# Allegro board pc069a_toplevel_13_glossed.brd
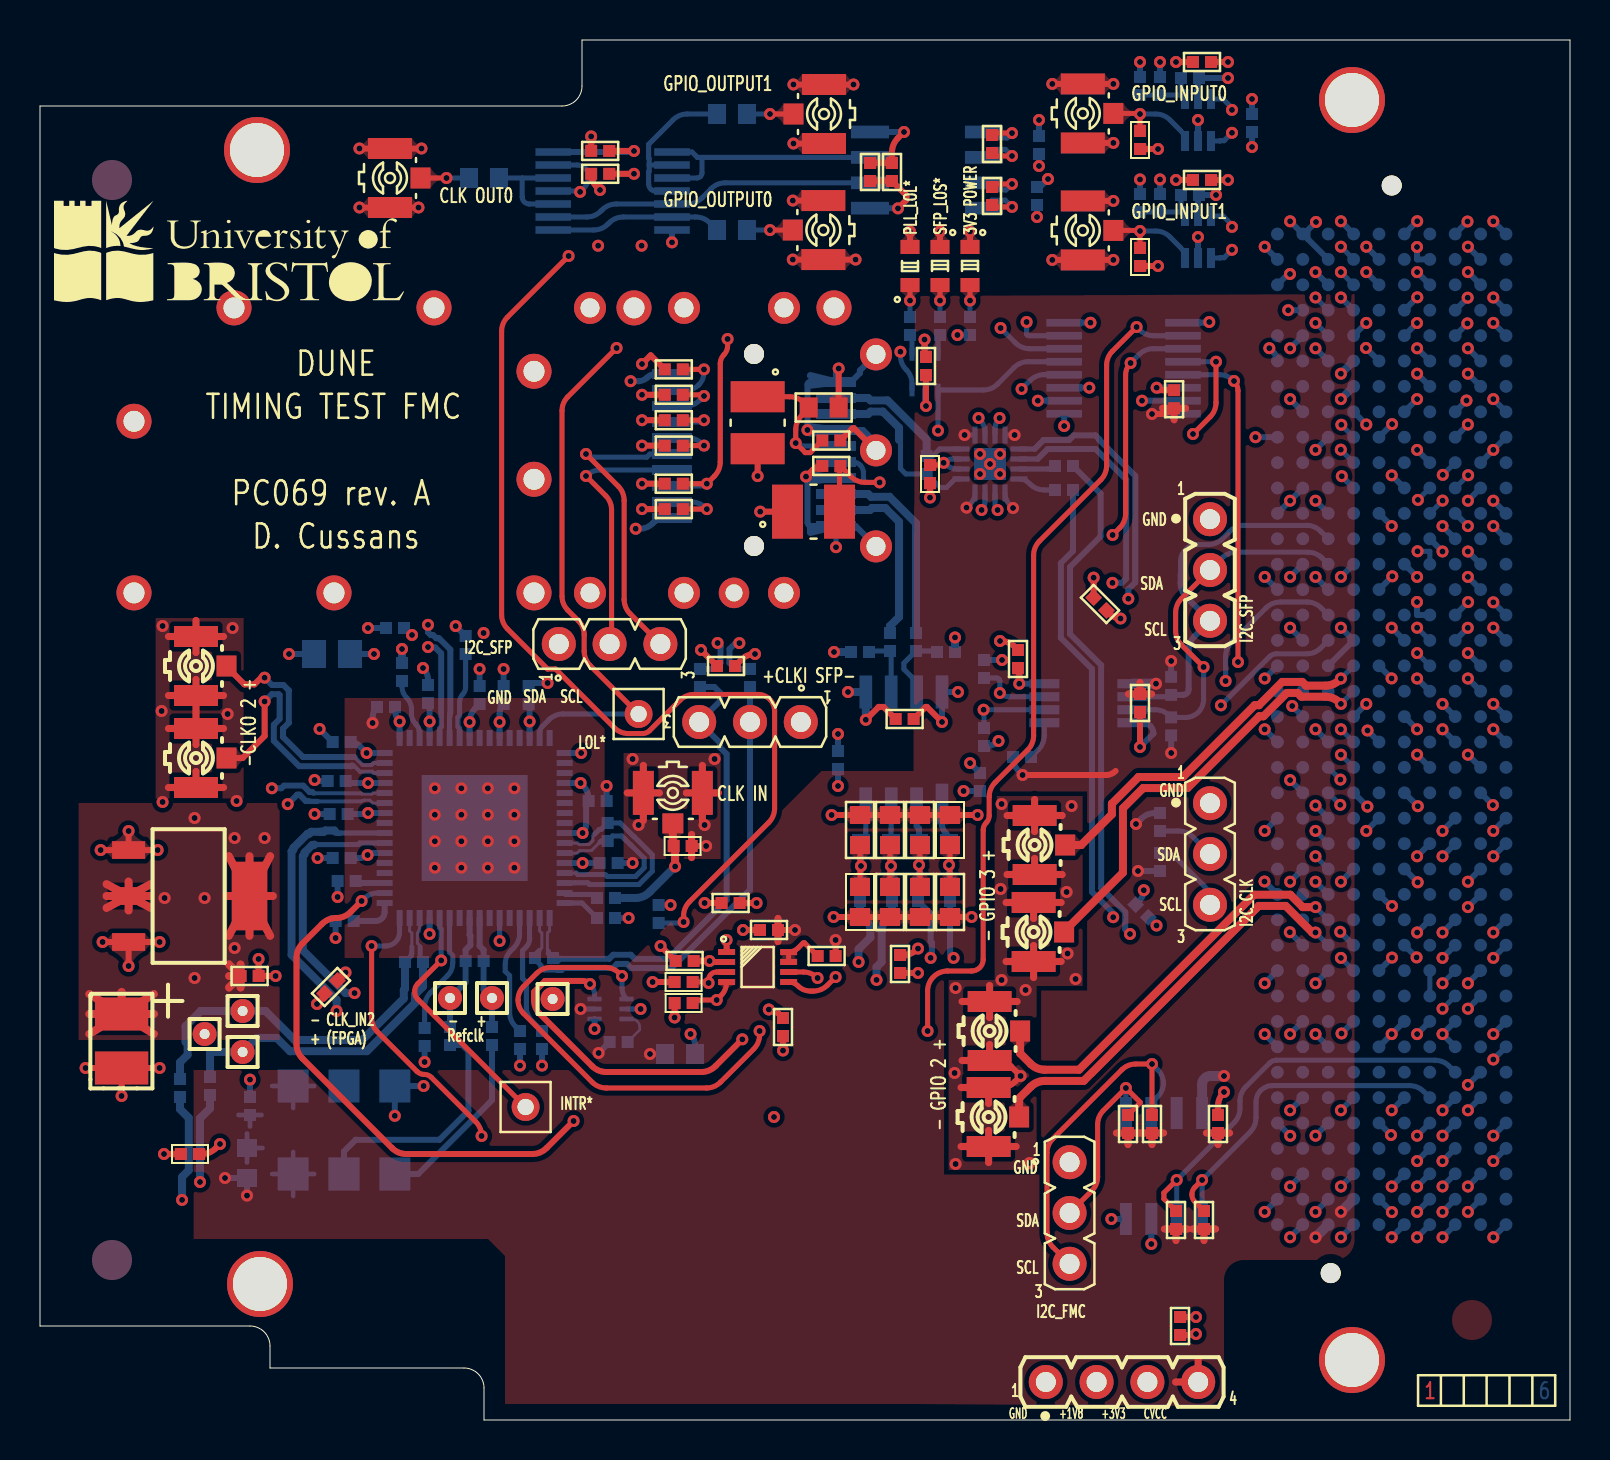
[diagram p0: board, top side]
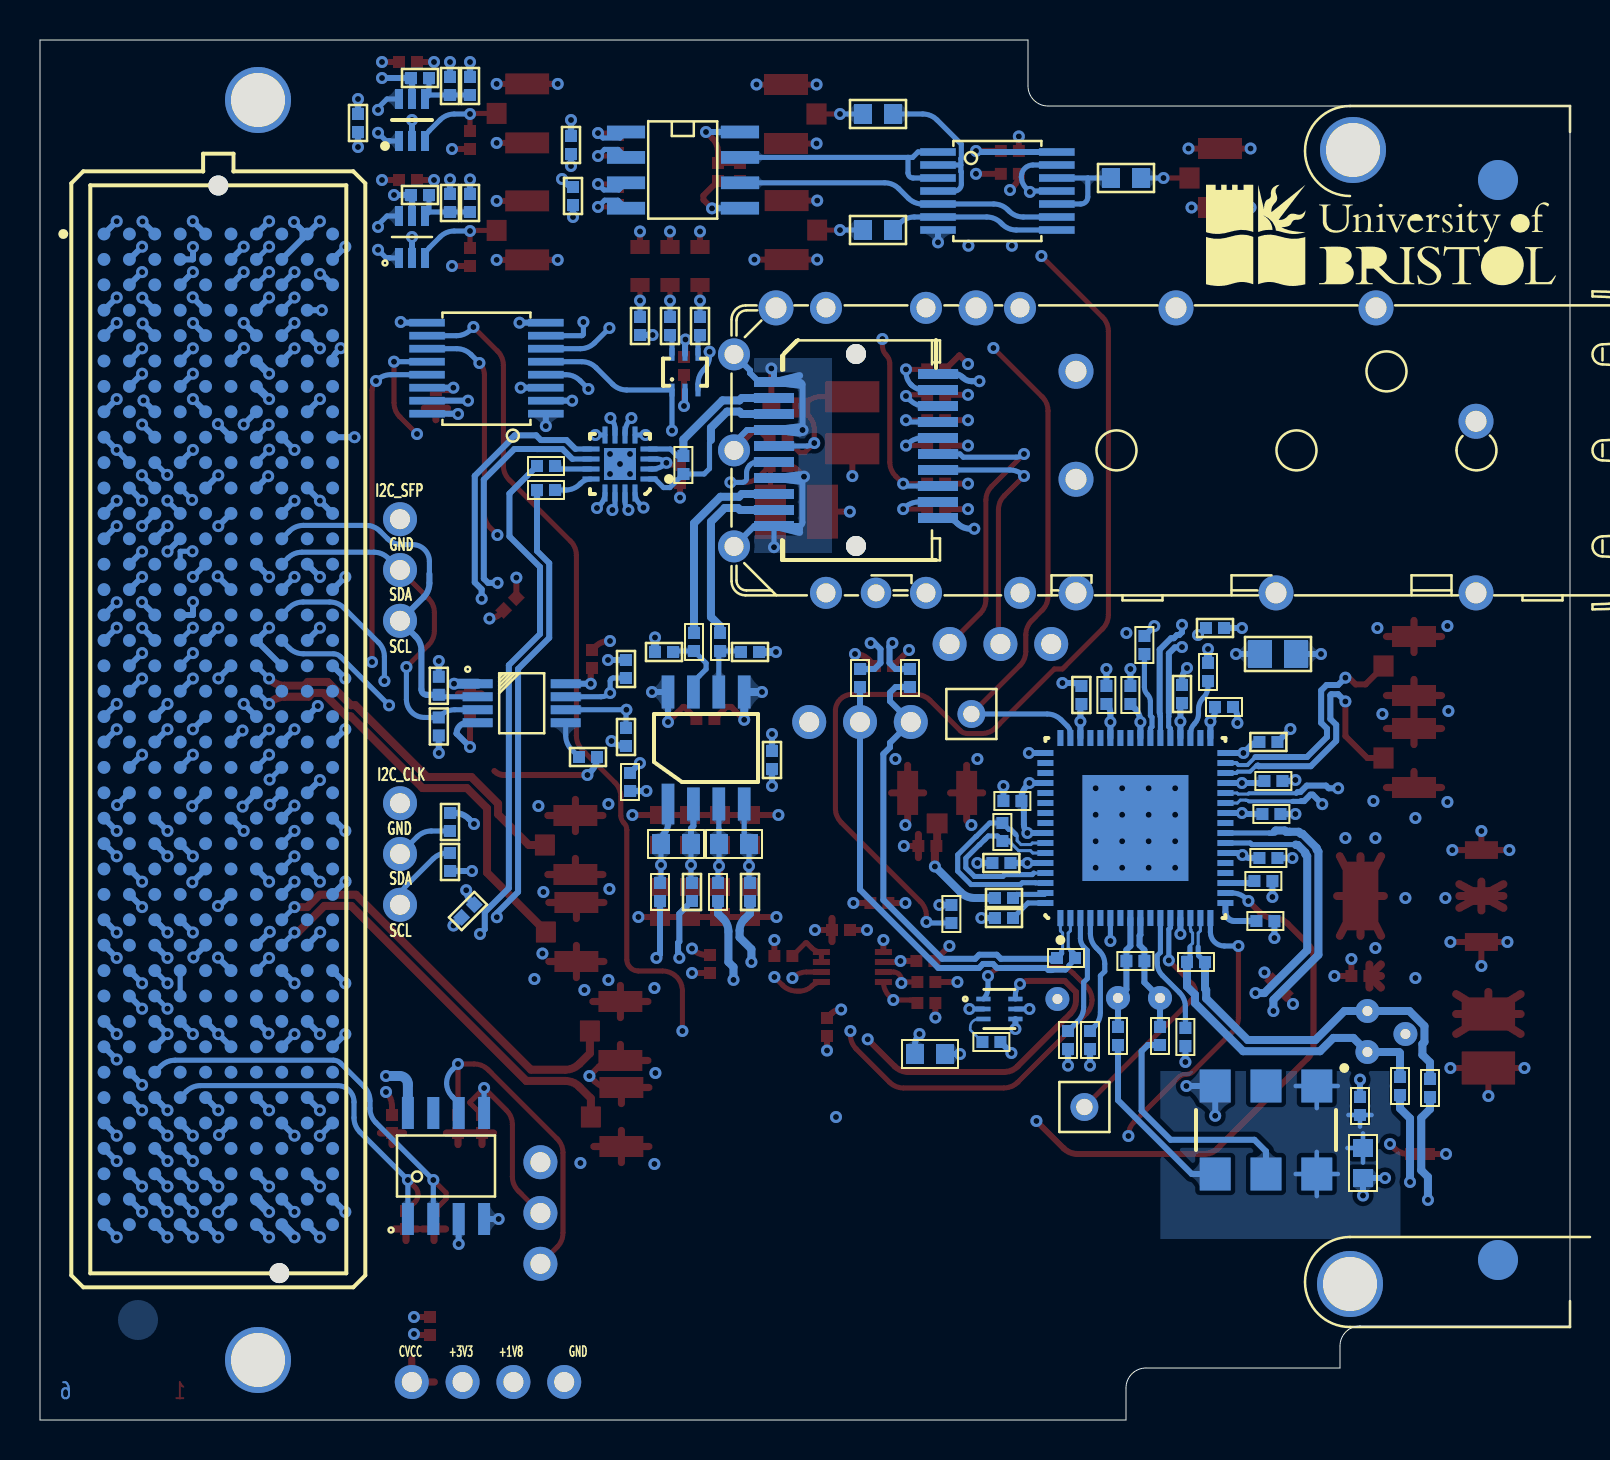
[diagram p1: board, bottom side, seen from below]

Outline 76.5 x 69 mm; copper layers: TOP, L2_GND, L3_SIGN, L4_SIGN, L5_PWR, BOTTOM. Coordinates in mm from the lower left corner of the outline.
Outline path: 0,65.7 0,4.7 10.5,4.7 arc(11.21,4.41) 11.5,3.7 11.5,2.6 21.2,2.6 arc(21.91,2.31) 22.2,1.6 22.2,0 76.5,0 76.5,69 27.1,69 27.1,66.7 arc(26.81,65.99) 26.1,65.7 0,65.7

## Design rules (mm)
constraint set DEFAULT: min track width 0.127, pair gap 0.152
net group CLK0_M2C: nets CLK0_M2C_N CLK0_M2C_P
net group CLK_IN0: nets CLK_IN0_N CLK_IN0_P
net group CLK_IN1: nets CLK_IN1_N CLK_IN1_P
net group CLK_IN2: nets CLK_IN2_N CLK_IN2_P
net group DP_OSC: nets UNNAMED_4_CAPCERSMDCL2_I119_A UNNAMED_4_CAPCERSMDCL2_I120_A
net group F_FMC_CLK: nets CLK0_C2M_N CLK0_C2M_P
net group F_GPIO_OUT0: nets F_GPIO_OUT0_N F_GPIO_OUT0_P
net group F_GPIO_OUT1: nets F_GPIO_OUT1_N F_GPIO_OUT1_P
net group FFD_CLK: nets T_FFD_CLK_N T_FFD_CLK_P
net group FFD_DI: nets C2M_SFP_DATA_N C2M_SFP_DATA_P
net group FMC_REC_CLK: nets CLK1_M2C_N CLK1_M2C_P
net group GPIO_IN0: nets GPIO_IN0_N GPIO_IN0_P
net group GPIO_IN1: nets GPIO_IN1_N GPIO_IN1_P
net group GPIO_IO3: nets GPIO_IO3_N GPIO_IO3_P
net group OSC_CLK: nets OSC_CLK_N OSC_CLK_P
net group PAR_CLKO: nets T_DIFF_UFL_CLK_N T_DIFF_UFL_CLK_P
net group PAR_DI: nets GPIO_IO2_N GPIO_IO2_P
net group PLL_ZDM_CLK: nets PLL_ZDM_CLK_N PLL_ZDM_CLK_P
net group SFP2PLL_DATA: nets SFP2PLL_DATA_N SFP2PLL_DATA_P
net group SFP_DI: nets F_SFP_N F_SFP_P
net group SFP_DO: nets T_SFP_N T_SFP_P
net group T_FMC: nets M2C_SFP_DATA_N M2C_SFP_DATA_P
nets with their own width: min track width 0.254; nets CVCC GND
nets with their own width: min track width 0.3; nets CTRLVCC P1V8 P3V3 P12V

## Placement (name value [footprint] x y rotation side)
C1  100nF  [C0402]  45.5 26.4 90 bottom
C2  100nF  [C0402]  42.5 38.9 90 bottom
C3  100nF  [C0402]  47 31.9 270 bottom
C4  100nF  [C0402]  39.9 33 270 bottom
C5  100nF  [C0402]  43.23 35.05 180 top
C6  100nF  [C0402]  7.5 13.3 180 top
C7  100nF  [C0402]  42.6 26.4 90 bottom
C8  100nF  [C0402]  43.9 26.4 90 bottom
C9  100nF  [C0402]  57 4.7 270 top
C10  100nF  [C0402]  10.5 15.7 270 bottom
C11  100nF  [C0402]  44.5 47.3 90 top
C12  22uF  [C3528POL]  4.08 20.3 270 top
C13  100nF  [C0402]  28.43 27.85 180 bottom
C14  100nF  [C0402]  10.48 22.2 180 top
C15  100nF  [C0402]  44.3 52.7 90 top
C16  100nF  [C0402]  55 35.85 90 top
C17  100nF  [C0402]  36.45 24.5 0 top
C18  100nF  [C0402]  58.9 14.8 270 top
C19  100nF  [C0402]  24.43 36.25 270 bottom
C20  100nF  [C0402]  15.08 33.9 0 bottom
C21  100nF  [C0402]  22.6 19.2 90 bottom
C22  100nF  [C0402]  8.5 16.7 90 bottom
C23  100nF  [C0402]  28.3 26.1 180 bottom
C24  100nF  [C0402]  33 37.1 270 bottom
C25  100nF  [C0402]  20.5 19.2 90 bottom
C26  100nF  [C0402]  28.3 25.1 180 bottom
C27  100nF  [C0402]  35.5 37.1 270 bottom
C28  100nF  [C0402]  7 16.6 90 bottom
C29  100nF  [C0402]  53 40.8 135 top
C30  1.0nF  [C0402]  43 22.8 90 top
C31  100nF  [C0402]  17.3 35.65 0 bottom
C32  100nF  [C0402]  21.98 36.25 270 bottom
C33  100nF  [C0402]  49.95 63.75 90 bottom
C34  1.0nF  [C0402]  49.85 61.2 270 bottom
C35  10uF  [C0805]  14.6 38.3 0 bottom
C36  100nF  [C0402]  60.6 64.85 90 bottom
C37  1.0nF  [C0402]  37.15 19.65 270 top
C38  100nF  [C0402]  41 26.4 90 bottom
C39  100nF  [C0402]  43.8 38.9 90 bottom
C40  100nF  [C0402]  19.4 36.3 270 bottom
C41  1.0nF  [C0402]  17.75 39.6 0 bottom
C42  100nF  [C0603]  32 18.3 180 bottom
C45  100nF  [C0402]  23.18 36.25 270 bottom
C46  100nF  [C0402]  14.83 31.95 0 bottom
C47  100nF  [C0402]  27.88 30.95 180 bottom
C48  100nF  [C0402]  14.93 30.3 0 bottom
C49  100nF  [C0402]  15.08 28.1 0 bottom
C52  100nF  [C0402]  56 66.7 270 bottom
C53  100nF  [C0402]  56 60.85 270 bottom
C55  100nF  [C0402]  58.1 67.9 180 top
C56  100nF  [C0402]  58.1 62 180 top
C57  100nF  [C0402]  42.6 62.4 90 top
C58  100nF  [C0402]  41.5 62.4 90 top
C59  100nF  [C0402]  28.01 63.45 0 top
C60  100nF  [C0402]  28.01 62.31 0 top
C61  100nF  [C0402]  56.7 51.04 270 top
C62  100nF  [C0402]  39.56 47.7 0 top
C63  100nF  [C0402]  39.56 48.97 180 top
C64  10uF  [C0603]  39.18 50.62 180 top
C69  100nF  [C0402]  34.3 37.7 0 top
C70  100nF  [C0402]  34.53 25.85 0 top
C71  100nF  [C0402]  55.1 25.45 315 bottom
C72  100nF  [C0402]  14.55 21.65 45 top
C107  100nF  [C0402]  48.9 38.05 270 top
C117  100nF  [C0402]  32.23 22.95 0 top
IC1  -  [SOP50P310X90-8N]  35.88 22.65 0 top
IC2  -  [SOIC127P600X175-8N]  56.2 12.7 90 bottom
IC3  -  [QFN50P900X900X90-65N-S530]  21.73 29.6 90 bottom
IC4  -  [QFN50P300X300X90-17N-S160]  47.5 47.8 0 bottom
IC6  -  [SOP65P210X110-6N]  57.9 65 90 bottom
IC7  -  [SOP65P210X110-6N]  57.9 59.15 90 bottom
IC8  -  [SOIC8S_127]  47.2 64.4 270 bottom
IC9  -  [TSSOP14MA_065]  31.6 63.4 270 bottom
IC10  -  [TSSOP16MA_065]  51.21 50.31 90 bottom
IC11  -  [SOT_DRL_TEX]  28.53 20.55 180 bottom
IC15  -  [SOP65P490X110-8N]  52.41 35.84 180 bottom
IC18  -  [SC70_6L]  44.9 51.5 180 bottom
J2  -  [HIROSE_U-FL-R-SMT-1_10]  47.48 19.45 270 top
J3  -  [SAMTEC_MTLW-103-07-L-S-250]  35.5 34.9 180 top
J4  -  [TYCO_1888247-1]  35.7 48.5 0 bottom
J5  -  [SAMTEC_MTLW-103-07-L-S-250]  28.48 38.8 0 top
J6  -  [SAMTEC_MTLW-103-07-L-S-250]  51.48 10.35 270 top
J7  -  [HIROSE_U-FL-R-SMT-1_10]  47.43 15.15 270 top
J8  -  [SAMTEC_MTLW-103-07-L-S-250]  58.5 28.3 270 top
J10  -  [SAMTEC_MTLW-103-07-L-S-250]  58.5 42.5 270 top
J11  -  [SAMTEC_MTLW-104-07-L-S-250]  54.1 1.9 0 top
J12  -  [HIROSE_U-FL-R-SMT-1_10]  7.8 37.7 270 top
J13  -  [HIROSE_U-FL-R-SMT-1_10]  7.8 33.1 270 top
J14  -  [HIROSE_U-FL-R-SMT-1_10]  49.73 28.75 270 top
J15  -  [HIROSE_U-FL-R-SMT-1_10]  49.68 24.4 270 top
L1  4.7uH  [INDC3225X220N]  35.88 49.86 270 top
L2  4.7uH  [INDC3225X220N]  38.68 45.42 0 top
L3  -  [C0603]  10.35 12.85 90 bottom
LD1  Green  [LEDC1708X65N]  43.5 57.7 90 top
LD2  Green  [LEDC1708X65N]  45 57.7 270 top
LD3  Green  [LEDC1708X65N]  46.5 57.7 270 top
NOREF  -  []  76 17.5 0 top
NOREF#2  -  []  76.5 -16 0 top
NOREF#3  -  []  2.6 -16.15 0 top
NOREF#4  -  []  22 2.2 0 top
NOREF#5  -  []  79.5 0 90 top
NOREF#6  -  []  -17.4 170.4 0 top
NOREF#7  -  []  -14.4 165.4 0 top
NOREF#8  -  []  26.9 66.1 0 top
NOREF#9  -  []  -17.4 -17.4 0 top
NOREF#10  -  []  11.5 2.6 0 top
NOREF#11  -  []  0 -3 0 top
NOREF#12  -  []  11.5 2.6 90 top
NOREF#13  -  [unnamed#2]  65.6 66 0 top
NOREF#14  -  []  14.55 96.4 0 top
NOREF#15  -  []  -17.4 -17.4 0 top
NOREF#16  -  []  -14.3 0 0 top
NOREF#17  -  []  -94 -116.7 0 top
NOREF#18  -  []  109.15 64.3 0 top
NOREF#19  -  []  -7.4 -16.15 0 top
NOREF#20  -  []  -19.38 84 0 top
NOREF#21  -  []  76.5 0 90 top
NOREF#22  -  [unnamed#2]  10.85 63.5 0 top
NOREF#23  -  []  -17.4 -17.4 0 top
NOREF#24  -  []  22.2 0 90 top
NOREF#25  -  []  0 65.7 0 top
NOREF#26  -  []  -19.38 153 0 top
NOREF#27  -  []  173 -16 0 top
NOREF#28  -  []  133.3 -3.6 0 top
NOREF#29  -  []  0 4.7 90 top
NOREF#30  -  []  96.5 -16 0 top
NOREF#31  -  []  27.1 69 0 top
NOREF#32  -  []  0 65.7 0 top
NOREF#33  -  [unnamed#2]  65.6 3 0 top
NOREF#34  -  []  0 -16 0 top
NOREF#35  -  []  -18.77 254.4 0 top
NOREF#36  -  []  76 219.5 0 top
NOREF#37  -  []  11.21 4.4 0 top
NOREF#38  -  []  -14.4 -12.4 0 top
NOREF#39  -  []  15.2 23.1 0 top
NOREF#40  -  []  79.4 51.5 0 top
NOREF#41  -  []  11 63.45 90 top
NOREF#42  -  []  12.65 64.3 0 top
NOREF#43  -  []  -14.3 69 0 top
NOREF#44  -  []  266.9 -16.15 0 top
NOREF#45  -  []  11.5 -2.5 0 top
NOREF#46  -  []  180.4 -21.05 0 top
NOREF#47  -  []  36.8 -3.6 0 top
NOREF#48  -  []  0.7 55.9 0 top
NOREF#49  -  []  0 4.65 0 top
NOREF#50  -  []  76 185.5 0 top
NOREF#51  -  []  193.22 -17.27 0 top
NOREF#52  -  [unnamed#2]  11 6.8 0 top
NOREF#53  -  []  65.6 3 0 top
NOREF#54  -  []  -14.3 237 0 top
NOREF#55  -  []  -14.3 168 0 top
NOREF#56  -  []  22.2 -3 0 top
NOREF#57  -  []  -18.77 249.4 0 top
NOREF#58  -  []  0 64.3 0 top
NOREF#59  -  []  76 135.5 0 top
NOREF#60  -  []  76 101.5 0 top
NOREF#61  -  []  18.2 56.7 180 bottom
P1  -  [SAMTEC_SEAM-40-035-S-10-2-A]  67.58 34.53 90 bottom
PX1  -  [HIROSE_U-FL-R-SMT-1_10]  31.64 31.36 180 top
PX2  -  [HIROSE_U-FL-R-SMT-1_10]  52.14 65.33 270 top
PX3  -  [HIROSE_U-FL-R-SMT-1_10]  52.14 59.48 270 top
PX4  -  [HIROSE_U-FL-R-SMT-1_10]  17.5 62.1 270 top
PX5  -  [HIROSE_U-FL-R-SMT-1_10]  39.17 59.5 90 top
PX6  -  [HIROSE_U-FL-R-SMT-1_10]  39.2 65.3 90 top
QZ1  50MHz  [OSCSC254P500X700X100-6N]  15.2 14.5 270 bottom
R1  200k  [C0402]  39.33 23.2 0 top
R2  100  [C0603]  44.7 28.8 180 bottom
R3  100  [C0603]  41.8 28.8 0 bottom
R4  825  [C0603]  45.5 29.5 90 top
R5  150  [C0402]  41 38.4 0 bottom
R6  150  [C0402]  45.3 38.4 180 bottom
R7  100  [C0402]  21.73 22.95 180 bottom
R8  100  [C0402]  18.7 22.9 180 bottom
R10  1k  [C0402]  19.23 19.15 270 bottom
R11  100  [C0402]  25.2 23.1 0 bottom
R12  200  [C0603]  45.5 25.9 90 top
R13  4.7k  [C0402]  21.28 38.75 90 bottom
R16  4.7k  [C0402]  30.93 25.3 90 bottom
R17  1k  [C0402]  25.1 19 90 bottom
R18  100  [C0402]  28.38 29.4 270 bottom
R19  1k  [C0402]  24 19 90 bottom
R20  1k  [C0402]  15.23 24.95 180 bottom
R21  1k  [C0402]  15.33 26.95 180 bottom
R22  4.7k  [C0402]  31.69 52.53 0 top
R23  4.7k  [C0402]  31.69 51.26 0 top
R24  4.7k  [C0402]  31.69 49.99 180 top
R25  4.7k  [C0402]  31.69 48.72 180 top
R26  33  [C0402]  18.1 37.4 90 bottom
R27  51  [C0402]  32.13 28.7 180 top
R28  4.7k  [C0402]  31.69 46.81 0 top
R29  4.7k  [C0402]  31.69 45.55 0 top
R30  51  [C0402]  55 64 90 top
R31  51  [C0402]  55 58.15 90 top
R34  825  [C0603]  42.5 29.5 90 top
R35  3.0k  [C0402]  57.5 67.1 0 bottom
R36  2k  [C0402]  55 66.7 270 bottom
R37  3.0k  [C0402]  57.5 61.25 0 bottom
R38  2k  [C0402]  55 60.85 270 bottom
R39  4.7k  [C0402]  54.4 14.8 270 top
R40  4.7k  [C0402]  32.18 20.85 0 top
R41  4.7k  [C0402]  32.18 21.9 0 top
R42  4.7k  [C0402]  49.1 33.15 180 bottom
R43  4.7k  [C0402]  56 27.9 270 bottom
R45  51  [C0402]  47.6 61.2 90 top
R46  51  [C0402]  47.6 63.8 270 top
R47  33  [C0603]  22.2 62.1 180 bottom
R48  33  [C0603]  34.6 59.5 0 bottom
R49  33  [C0603]  34.6 65.3 0 bottom
R50  750  [C0402]  43.5 54.7 270 bottom
R51  750  [C0402]  45 54.7 270 bottom
R52  200  [C0603]  42.5 25.9 90 top
R53  825  [C0603]  44 29.5 90 top
R54  200  [C0603]  44 25.9 90 top
R55  825  [C0603]  41 29.5 90 top
R56  750  [C0402]  46.5 54.7 270 bottom
R57  200  [C0603]  41 25.9 90 top
R58  0R0  [C0402]  51.2 46.5 0 bottom
R59  0R0  [C0402]  51.2 47.7 0 bottom
R60  XX  [C0402]  44.33 47.75 270 bottom
R61  4.7k  [C0402]  28.93 18.9 180 bottom
R103  4.7k  [C0402]  55.6 14.8 270 top
R138  4.7k  [C0402]  56.8 10 270 top
R140  4.7k  [C0402]  47.2 34.15 90 bottom
R142  4.7k  [C0402]  56.56 34.68 270 bottom
R143  4.7k  [C0402]  56.56 36.71 90 bottom
R242  4.7k  [C0402]  56 29.9 90 bottom
R411  4.7k  [C0402]  47.2 37.55 270 bottom
R1328  4.7k  [C0402]  58.2 10 270 top
REG1  -  [SOT223]  4.43 23.9 90 top
SFP1  -  [MOLEX_74737004]  35.6 48.45 0 bottom
TP1  -  [TP_HOLE_05]  22.6 21.1 0 top
TP2  -  [TP_HOLE_05]  20.5 21.1 0 top
TP3  -  [TP_HOLE_05]  25.63 21.05 0 top
TP4  -  [TP_HOLE_05]  10.13 18.4 0 top
TP5  -  [TP_HOLE_05]  10.13 20.45 0 top
TP6  -  [TP_HOLE_05]  8.23 19.3 0 top
TP9  -  [TP_HOLE_08]  24.28 15.65 0 bottom
TP10  -  [TP_HOLE_08]  29.93 35.3 0 bottom
U1  -  [SOIC8]  45.1 30.8 180 bottom

## Library data of the parts
C1-C11 C13-C29 C31-C33 C36 C38-C40 C45-C49 C52 C53 C55-C63 C69-C72 C107 C117 = CAPCERSMDCL2: part number: CAPCERSMDCL2_0402-100NF,16V_GEN; tolerance: 10%
C12 = ELCAPTAN: part number: ELCAPTAN_SMD-22UF,10V
C30 C34 C37 C41 = CAPCERSMDCL2: part number: CAPCERSMDCL2_0402-1.0NF,50V_GEN; tolerance: 10%
C35 = CAPCERSMDCL2: part number: CAPCERSMDCL2_0805-10UF,16V; tolerance: 10%
C42 = CAPCERSMDCL2: part number: CAPCERSMDCL2_0603-100NF,16V; tolerance: 10%
C64 = CAPCERSMDCL2: part number: CAPCERSMDCL2_0603-10UF_X5R,6.3V; tolerance: 10%
IC1 = PCA9306: part number: PCA9306DCU
IC2 = 24AA025E48: part number: 24AA025E48T-I/SN
IC3 = SI5345: part number: SI5345A-D-GM
IC4 = SY58608U: part number: SY58608UMG
IC6 IC7 = ADCMP604: part number: ADCMP604BKSZ
IC8 = DS90LV028A
IC9 = 74LCX04: part number: 74LCX04MTC
IC10 = 74AVC4T245: part number: SN74AVC4T245PW
IC11 = TMP1075NDRLR: Tolerance: TOL; part number: TMP1075NDRLR-TEXAS INSTRUMENTS,TMP1075NDRLR
IC15 = PCA9517: part number: PCA9517DGKR
IC18 = SN74LVC2GU04: part number: SN74LVC2GU04DCK
J2 J7 J12-J15 PX1-PX6 = PCOAX: part number: PCOAX-U.FL-R-SMT-1(10)
J3 J5 J6 J8 J10 = CON3P: part number: CON3P-MTLW-103-07-L-S-250
J4 = CON20P_SFP: part number: CON20P_SFP-1888247-1
J11 = CON4P: part number: CON4P-MTLW-104-07-L-S-250
L1 L2 = INDUCTANCE: part number: INDUCTANCE_LQH32C_23-4.7UH
L3 = FERRITE: part number: FERRITE_SMD-BLM18AG102SN1,MURATA
LD1-LD3 = LED1: part number: LGL29K-G2J1-24
P1 = CON400P_40ABCDEFGHJK: part number: CON400P_40ABCDEFGHJK-SEAM-40-03.5-S-10-2-A-K-TR
QZ1 = OSC_6P_ENDIS_OUTP_OUTN: part number: SIT5021AI-2DE-25E-50.000000
R1 = RSMD0402: part number: RSMD0402_1/16W-200K,1%; tolerance: 1%
R2 R3 = RSMD0603: part number: RSMD0603_1/10W-100,1%; tolerance: 1%
R4 R34 R53 R55 = RSMD0603: part number: RSMD0603_1/10W-825,1%; tolerance: 1%
R5 R6 = RSMD0402: part number: RSMD0402_1/16W-150,1%; tolerance: 1%
R7 R8 R11 R18 = RSMD0402: part number: RSMD0402_1/16W-100,1%; tolerance: 1%
R10 R17 R19-R21 = RSMD0402: part number: RSMD0402_1/16W-1K,1%; tolerance: 1%
R12 R52 R54 R57 = RSMD0603: part number: RSMD0603_1/10W-200,1%; tolerance: 1%
R13 R16 R22-R25 R28 R29 R39-R43 R61 R103 R138 R140 R142 R143 R242 R411 R1328 = RSMD0402: part number: RSMD0402_1/16W-4.7K,1%; tolerance: 1%
R26 = RSMD0402: part number: RSMD0402_1/16W-33,1%; tolerance: 1%
R27 R30 R31 R45 R46 = RSMD0402: part number: RSMD0402_1/16W-51,1%; tolerance: 1%
R35 R37 = RSMD0402: part number: RSMD0402_1/16W-3.0K,1%; tolerance: 1%
R36 R38 = RSMD0402: part number: RSMD0402_1/16W-2K,1%; tolerance: 1%
R47-R49 = RSMD0603: part number: RSMD0603_1/10W-33,1%; tolerance: 1%
R50 R51 R56 = RSMD0402: part number: RSMD0402_1/16W-750,1%; tolerance: 1%
R58 R59 = RSMD0402: part number: RSMD0402_1/16W-0R0,1%; tolerance: 1%
R60 = RSMD0402: part number: RSMD0402_0.0625W-XX,1%; tolerance: 1%
REG1 = LM1117: part number: LM1117-MPX-1.8
SFP1 = SFP_CAGE: part number: SFP_CAGE-SP-74737-004
TP1-TP6 = TP: part number: TP_HOLE-0.5MM
TP9 TP10 = TP: part number: TP_HOLE-0.8MM
U1 = MAX9381ESA: part number: MAX9381ESA_SMD-MAX9381ESA

## Footprints (pads in the part's own frame, mm; a bottom-side part is the same pattern mirrored in y, then rotated)
C0402
  rect 0.6x0.6 smd: 1(-0.45,0) 2(0.45,0)
C0603
  rect 0.9x1 smd: 1(-0.75,0) 2(0.75,0)
C0805
  rect 1.2x1.4 smd: 1(-0.9,0) 2(0.9,0)
C3528POL
  rect 1.651x2.667 smd: 1(0,0) 2(2.7,0)
HIROSE_U-FL-R-SMT-1_10
  rect 1.05x1 smd: 1(0,1.525)
  rect 1.05x2.2 smd: 2(-1.475,0) 3(1.475,0)
INDC3225X220N
  rect 1.55x2.7 smd: 1(-1.3,0) 2(1.3,0)
LEDC1708X65N
  rect 0.7x0.95 smd: 1(0.95,0) 2(-0.95,0)
MOLEX_74737004
  round 1.524 hole 0.85: 1(-0.9,7.094)
  round 1.75 hole 1.05: 2(-10.9,7.094) 3(-20.9,7.094) 4(-30.9,7.094) 5(-25.9,-7.156) 6(-15.9,-7.156) 7(-5.9,-7.156) 8(4.1,-7.156) 9(-10.9,1.414) 10(-10.9,-3.986) 11(-30.9,-1.486)
  round 1.6 hole 0.95: 12(-8.1,7.094) 13(-8.1,-7.156) 14(-3.4,7.094) 15(-3.4,-7.156) 16(1.6,7.094) 17(1.6,-7.156) 18(6.2,4.769) 19(6.2,-0.031) 20(6.2,-4.831)
  round 0 smd: NC(-4.1,3.369)
OSCSC254P500X700X100-6N
  rect 1.65x1.55 smd: 1(-2.2,2.54) 2(-2.2,0) 3(-2.2,-2.54) 4(2.2,-2.54) 5(2.2,0) 6(2.2,2.54)
QFN50P300X300X90-17N-S160
  rect 0.85x0.25 smd: 1(-1.45,0.75) 2(-1.45,0.25) 3(-1.45,-0.25) 4(-1.45,-0.75) 9(1.45,-0.75) 10(1.45,-0.25) 11(1.45,0.25) 12(1.45,0.75)
  rect 0.25x0.85 smd: 5(-0.75,-1.45) 6(-0.25,-1.45) 7(0.25,-1.45) 8(0.75,-1.45) 13(0.75,1.45) 14(0.25,1.45) 15(-0.25,1.45) 16(-0.75,1.45)
  rect 1.6x1.6 smd: 17(0,0)
QFN50P900X900X90-65N-S530
  rect 0.8x0.3 smd: 1(-4.5,3.75) 2(-4.5,3.25) 3(-4.5,2.75) 4(-4.5,2.25) 5(-4.5,1.75) 6(-4.5,1.25) 7(-4.5,0.75) 8(-4.5,0.25) 9(-4.5,-0.25) 10(-4.5,-0.75) 11(-4.5,-1.25) 12(-4.5,-1.75) 13(-4.5,-2.25) 14(-4.5,-2.75) 15(-4.5,-3.25) 16(-4.5,-3.75) 33(4.5,-3.75) 34(4.5,-3.25) 35(4.5,-2.75) 36(4.5,-2.25) 37(4.5,-1.75) 38(4.5,-1.25) 39(4.5,-0.75) 40(4.5,-0.25) 41(4.5,0.25) 42(4.5,0.75) 43(4.5,1.25) 44(4.5,1.75) 45(4.5,2.25) 46(4.5,2.75) 47(4.5,3.25) 48(4.5,3.75)
  rect 0.3x0.8 smd: 17(-3.75,-4.5) 18(-3.25,-4.5) 19(-2.75,-4.5) 20(-2.25,-4.5) 21(-1.75,-4.5) 22(-1.25,-4.5) 23(-0.75,-4.5) 24(-0.25,-4.5) 25(0.25,-4.5) 26(0.75,-4.5) 27(1.25,-4.5) 28(1.75,-4.5) 29(2.25,-4.5) 30(2.75,-4.5) 31(3.25,-4.5) 32(3.75,-4.5) 49(3.75,4.5) 50(3.25,4.5) 51(2.75,4.5) 52(2.25,4.5) 53(1.75,4.5) 54(1.25,4.5) 55(0.75,4.5) 56(0.25,4.5) 57(-0.25,4.5) 58(-0.75,4.5) 59(-1.25,4.5) 60(-1.75,4.5) 61(-2.25,4.5) 62(-2.75,4.5) 63(-3.25,4.5) 64(-3.75,4.5)
  rect 5.3x5.3 smd: 65(0,0)
SAMTEC_MTLW-103-07-L-S-250
  round 1.7 hole 1: 1(-2.54,0) 2(0,0) 3(2.54,0)
SAMTEC_MTLW-104-07-L-S-250
  round 1.7 hole 1: 1(-3.81,0) 2(-1.27,0) 3(1.27,0) 4(3.81,0)
SAMTEC_SEAM-40-035-S-10-2-A
  round 1 hole 1.3 unplated: (-27.19,-3.05) (27.19,0)
  round 0.64 smd: A1(24.765,5.715) A2(23.495,5.715) A3(22.225,5.715) A4(20.955,5.715) A5(19.685,5.715) A6(18.415,5.715) A7(17.145,5.715) A8(15.875,5.715) A9(14.605,5.715) A10(13.335,5.715) A11(12.065,5.715) A12(10.795,5.715) A13(9.525,5.715) A14(8.255,5.715) A15(6.985,5.715) A16(5.715,5.715) A17(4.445,5.715) A18(3.175,5.715) A19(1.905,5.715) A20(0.635,5.715) A21(-0.635,5.715) A22(-1.905,5.715) A23(-3.175,5.715) A24(-4.445,5.715) A25(-5.715,5.715) A26(-6.985,5.715) A27(-8.255,5.715) A28(-9.525,5.715) A29(-10.795,5.715) A30(-12.065,5.715) A31(-13.335,5.715) A32(-14.605,5.715) A33(-15.875,5.715) A34(-17.145,5.715) A35(-18.415,5.715) A36(-19.685,5.715) A37(-20.955,5.715) A38(-22.225,5.715) A39(-23.495,5.715) A40(-24.765,5.715) B1(24.765,4.445) B2(23.495,4.445) B3(22.225,4.445) B4(20.955,4.445) B5(19.685,4.445) B6(18.415,4.445) B7(17.145,4.445) B8(15.875,4.445) B9(14.605,4.445) B10(13.335,4.445) B11(12.065,4.445) B12(10.795,4.445) B13(9.525,4.445) B14(8.255,4.445) B15(6.985,4.445) B16(5.715,4.445) B17(4.445,4.445) B18(3.175,4.445) B19(1.905,4.445) B20(0.635,4.445) B21(-0.635,4.445) B22(-1.905,4.445) B23(-3.175,4.445) B24(-4.445,4.445) B25(-5.715,4.445) B26(-6.985,4.445) B27(-8.255,4.445) B28(-9.525,4.445) B29(-10.795,4.445) B30(-12.065,4.445) B31(-13.335,4.445) B32(-14.605,4.445) B33(-15.875,4.445) B34(-17.145,4.445) B35(-18.415,4.445) B36(-19.685,4.445) B37(-20.955,4.445) B38(-22.225,4.445) B39(-23.495,4.445) B40(-24.765,4.445) C1(24.765,3.175) C2(23.495,3.175) C3(22.225,3.175) C4(20.955,3.175) C5(19.685,3.175) C6(18.415,3.175) C7(17.145,3.175) C8(15.875,3.175) C9(14.605,3.175) C10(13.335,3.175) C11(12.065,3.175) C12(10.795,3.175) C13(9.525,3.175) C14(8.255,3.175) C15(6.985,3.175) C16(5.715,3.175) C17(4.445,3.175) C18(3.175,3.175) C19(1.905,3.175) C20(0.635,3.175) C21(-0.635,3.175) C22(-1.905,3.175) C23(-3.175,3.175) C24(-4.445,3.175) C25(-5.715,3.175) C26(-6.985,3.175) C27(-8.255,3.175) C28(-9.525,3.175) C29(-10.795,3.175) C30(-12.065,3.175) C31(-13.335,3.175) C32(-14.605,3.175) C33(-15.875,3.175) C34(-17.145,3.175) C35(-18.415,3.175) C36(-19.685,3.175) C37(-20.955,3.175) C38(-22.225,3.175) C39(-23.495,3.175) C40(-24.765,3.175) D1(24.765,1.905) D2(23.495,1.905) D3(22.225,1.905) D4(20.955,1.905) D5(19.685,1.905) D6(18.415,1.905) D7(17.145,1.905) D8(15.875,1.905) D9(14.605,1.905) D10(13.335,1.905) D11(12.065,1.905) D12(10.795,1.905) D13(9.525,1.905) D14(8.255,1.905) D15(6.985,1.905) D16(5.715,1.905) D17(4.445,1.905) D18(3.175,1.905) D19(1.905,1.905) D20(0.635,1.905) D21(-0.635,1.905) D22(-1.905,1.905) D23(-3.175,1.905) D24(-4.445,1.905) D25(-5.715,1.905) D26(-6.985,1.905) D27(-8.255,1.905) D28(-9.525,1.905) D29(-10.795,1.905) D30(-12.065,1.905) D31(-13.335,1.905) D32(-14.605,1.905) D33(-15.875,1.905) D34(-17.145,1.905) D35(-18.415,1.905) D36(-19.685,1.905) D37(-20.955,1.905) D38(-22.225,1.905) D39(-23.495,1.905) D40(-24.765,1.905) E1(24.765,0.635) E2(23.495,0.635) E3(22.225,0.635) E4(20.955,0.635) E5(19.685,0.635) E6(18.415,0.635) E7(17.145,0.635) E8(15.875,0.635) E9(14.605,0.635) E10(13.335,0.635) E11(12.065,0.635) E12(10.795,0.635) E13(9.525,0.635) E14(8.255,0.635) E15(6.985,0.635) E16(5.715,0.635) E17(4.445,0.635) E18(3.175,0.635) E19(1.905,0.635) E20(0.635,0.635) E21(-0.635,0.635) E22(-1.905,0.635) E23(-3.175,0.635) E24(-4.445,0.635) E25(-5.715,0.635) E26(-6.985,0.635) E27(-8.255,0.635) E28(-9.525,0.635) E29(-10.795,0.635) E30(-12.065,0.635) E31(-13.335,0.635) E32(-14.605,0.635) E33(-15.875,0.635) E34(-17.145,0.635) E35(-18.415,0.635) E36(-19.685,0.635) E37(-20.955,0.635) E38(-22.225,0.635) E39(-23.495,0.635) E40(-24.765,0.635) F1(24.765,-0.635) F2(23.495,-0.635) F3(22.225,-0.635) F4(20.955,-0.635) F5(19.685,-0.635) F6(18.415,-0.635) F7(17.145,-0.635) F8(15.875,-0.635) F9(14.605,-0.635) F10(13.335,-0.635) F11(12.065,-0.635) F12(10.795,-0.635) F13(9.525,-0.635) F14(8.255,-0.635) F15(6.985,-0.635) F16(5.715,-0.635) F17(4.445,-0.635) F18(3.175,-0.635) F19(1.905,-0.635) F20(0.635,-0.635) F21(-0.635,-0.635) F22(-1.905,-0.635) F23(-3.175,-0.635) F24(-4.445,-0.635) F25(-5.715,-0.635) F26(-6.985,-0.635) F27(-8.255,-0.635) F28(-9.525,-0.635) F29(-10.795,-0.635) F30(-12.065,-0.635) F31(-13.335,-0.635) F32(-14.605,-0.635) F33(-15.875,-0.635) F34(-17.145,-0.635) F35(-18.415,-0.635) F36(-19.685,-0.635) F37(-20.955,-0.635) F38(-22.225,-0.635) F39(-23.495,-0.635) F40(-24.765,-0.635) G1(24.765,-1.905) G2(23.495,-1.905) G3(22.225,-1.905) G4(20.955,-1.905) G5(19.685,-1.905) G6(18.415,-1.905) G7(17.145,-1.905) G8(15.875,-1.905) G9(14.605,-1.905) G10(13.335,-1.905) G11(12.065,-1.905) G12(10.795,-1.905) G13(9.525,-1.905) G14(8.255,-1.905) G15(6.985,-1.905) G16(5.715,-1.905) G17(4.445,-1.905) G18(3.175,-1.905) G19(1.905,-1.905) G20(0.635,-1.905) G21(-0.635,-1.905) G22(-1.905,-1.905) G23(-3.175,-1.905) G24(-4.445,-1.905) G25(-5.715,-1.905) G26(-6.985,-1.905) G27(-8.255,-1.905) G28(-9.525,-1.905) G29(-10.795,-1.905) G30(-12.065,-1.905) G31(-13.335,-1.905) G32(-14.605,-1.905) G33(-15.875,-1.905) G34(-17.145,-1.905) G35(-18.415,-1.905) G36(-19.685,-1.905) G37(-20.955,-1.905) G38(-22.225,-1.905) G39(-23.495,-1.905) G40(-24.765,-1.905) H1(24.765,-3.175) H2(23.495,-3.175) H3(22.225,-3.175) H4(20.955,-3.175) H5(19.685,-3.175) H6(18.415,-3.175) H7(17.145,-3.175) H8(15.875,-3.175) H9(14.605,-3.175) H10(13.335,-3.175) H11(12.065,-3.175) H12(10.795,-3.175) H13(9.525,-3.175) H14(8.255,-3.175) H15(6.985,-3.175) H16(5.715,-3.175) H17(4.445,-3.175) H18(3.175,-3.175) H19(1.905,-3.175) H20(0.635,-3.175) H21(-0.635,-3.175) H22(-1.905,-3.175) H23(-3.175,-3.175) H24(-4.445,-3.175) H25(-5.715,-3.175) H26(-6.985,-3.175) H27(-8.255,-3.175) H28(-9.525,-3.175) H29(-10.795,-3.175) H30(-12.065,-3.175) H31(-13.335,-3.175) H32(-14.605,-3.175) H33(-15.875,-3.175) H34(-17.145,-3.175) H35(-18.415,-3.175) H36(-19.685,-3.175) H37(-20.955,-3.175) H38(-22.225,-3.175) H39(-23.495,-3.175) H40(-24.765,-3.175) J1(24.765,-4.445) J2(23.495,-4.445) J3(22.225,-4.445) J4(20.955,-4.445) J5(19.685,-4.445) J6(18.415,-4.445) J7(17.145,-4.445) J8(15.875,-4.445) J9(14.605,-4.445) J10(13.335,-4.445) J11(12.065,-4.445) J12(10.795,-4.445) J13(9.525,-4.445) J14(8.255,-4.445) J15(6.985,-4.445) J16(5.715,-4.445) J17(4.445,-4.445) J18(3.175,-4.445) J19(1.905,-4.445) J20(0.635,-4.445) J21(-0.635,-4.445) J22(-1.905,-4.445) J23(-3.175,-4.445) J24(-4.445,-4.445) J25(-5.715,-4.445) J26(-6.985,-4.445) J27(-8.255,-4.445) J28(-9.525,-4.445) J29(-10.795,-4.445) J30(-12.065,-4.445) J31(-13.335,-4.445) J32(-14.605,-4.445) J33(-15.875,-4.445) J34(-17.145,-4.445) J35(-18.415,-4.445) J36(-19.685,-4.445) J37(-20.955,-4.445) J38(-22.225,-4.445) J39(-23.495,-4.445) J40(-24.765,-4.445) K1(24.765,-5.715) K2(23.495,-5.715) K3(22.225,-5.715) K5(19.685,-5.715) K6(18.415,-5.715) K7(17.145,-5.715) K8(15.875,-5.715) K9(14.605,-5.715) K10(13.335,-5.715) K11(12.065,-5.715) K12(10.795,-5.715) K13(9.525,-5.715) K14(8.255,-5.715) K15(6.985,-5.715) K16(5.715,-5.715) K17(4.445,-5.715) K18(3.175,-5.715) K19(1.905,-5.715) K20(0.635,-5.715) K21(-0.635,-5.715) K22(-1.905,-5.715) K23(-3.175,-5.715) K24(-4.445,-5.715) K25(-5.715,-5.715) K26(-6.985,-5.715) K27(-8.255,-5.715) K28(-9.525,-5.715) K29(-10.795,-5.715) K30(-12.065,-5.715) K31(-13.335,-5.715) K32(-14.605,-5.715) K33(-15.875,-5.715) K34(-17.145,-5.715) K35(-18.415,-5.715) K36(-19.685,-5.715) K37(-20.955,-5.715) K38(-22.225,-5.715) K39(-23.495,-5.715) K40(-24.765,-5.715)